# KiCad board control-logic-midplane.kicad_pcb (continued)
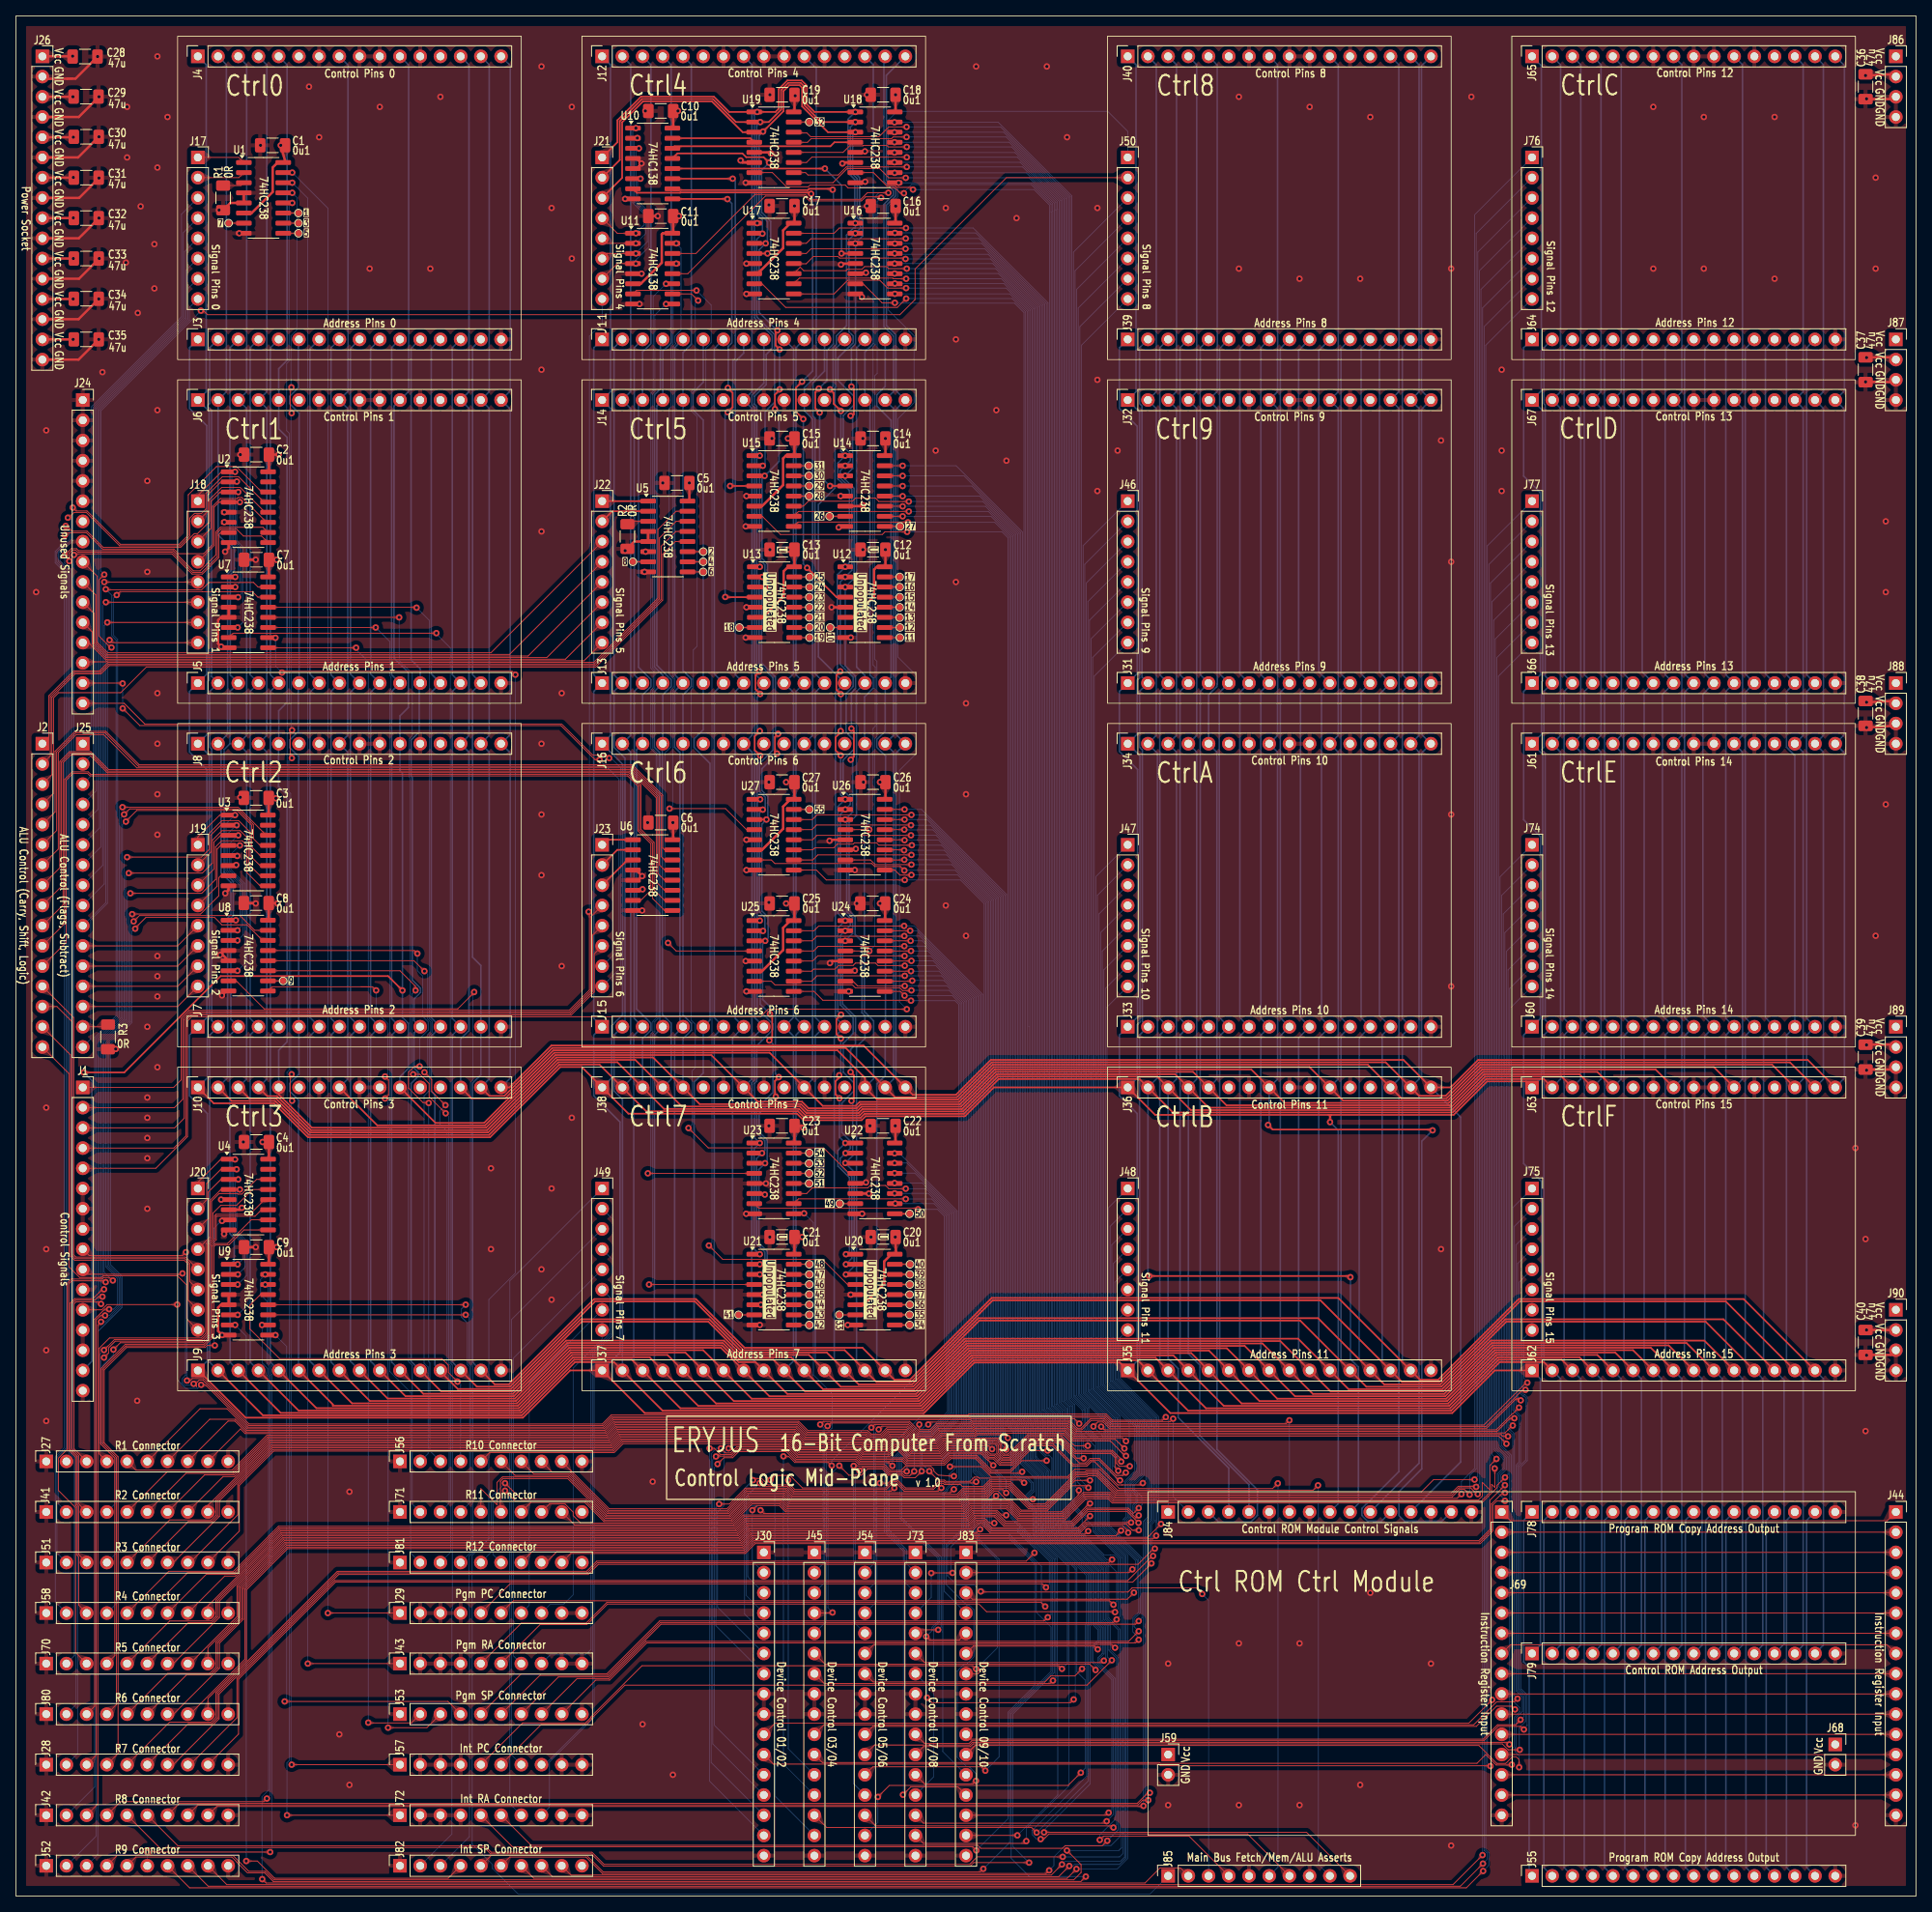
[diagram p0: board, top side]
## Routing (per net, layer and track width the routed paths; a pad name or vN(x,y) marks a point on that pad's centre or on a via; arc(x,y) is an arc through that point) (continued)
SRAM ~{OE}: length 765.6
  Top w0.2: J10.15 59.49,100.53 61.37,100.53 67.41,106.56 104.26,106.56 J38.15 110.45,100.37 118.24,100.37 122.63,104.76 172.1,104.76 J36.15 176.31,100.55 179.66,100.55 183.85,104.75 222.91,104.75 J63.15
  Bottom w0.2: J84.11 176.31,54.39 176.31,100.55 J36.15 176.31,102.65 176.31,143.73 J34.15 176.31,145.83 176.31,186.91 J32.15 176.31,189.01 176.31,230.09 J40.15 ; 109.07,230.99 109.07,215.44 110.26,214.26 110.26,213.73 109.07,212.55 109.07,197.21 110.27,196.01 110.27,189.01 J14.15 110.27,186.91 110.27,145.83 J16.15 110.27,143.73 110.27,102.65 J38.15 ; J63.15 227.11,102.65 227.11,143.73 J61.15 227.11,145.83 227.11,186.91 J67.15 227.11,189.01 227.11,230.09 J65.15 ; J4.15 59.47,230.09 59.47,189.01 J6.15 59.47,186.91 59.47,145.83 J8.15 59.47,143.73 59.47,102.65 J10.15
SRAM ~{WE}: length 770
  Top w0.2: J10.14 57.25,100.23 61.5,100.23 67.53,106.26 103.22,106.26 106.68,102.8 J38.14 108.21,100.07 118.37,100.07 122.75,104.46 169.86,104.46 J36.14 174.07,100.25 179.78,100.25 183.98,104.45 220.67,104.45 J63.14
  Bottom w0.2: J12.14 107.73,230.09 107.73,195.06 106.68,194.01 J14.14 107.32,187.33 107.32,153.44 107.73,153.03 107.73,151.77 106.63,150.67 106.63,144.83 ; J38.14 107.77,102.69 107.77,109.95 106.61,111.11 106.61,134.25 107.19,134.83 107.19,144.12 106.6,144.7 ; J40.14 173.77,230.09 173.77,189.01 J32.14 173.77,186.91 173.77,145.83 J34.14 173.77,143.73 173.77,102.65 J36.14 173.77,100.55 173.77,53.33 169.13,48.69 169.13,47.83 169.85,47.11 171.56,47.11 J84.12 ; J4.14 56.93,230.09 56.93,189.01 J6.14 56.93,186.91 56.93,145.83 J8.14 56.93,143.73 56.93,108.72 55.88,107.67 J10.14 ; J63.14 224.57,102.65 224.57,143.73 J61.14 224.57,145.83 224.57,186.91 J67.14 224.57,189.01 224.57,230.09 J65.14
Unused1: length 80.7
  Top w0.1: J24.9 10.23,165.81 10.23,157.51 11.53,156.2 59.68,156.2 J22.3
Unused2: length 77.4
  Top w0.1: J24.10 10.03,163.47 10.03,157.42 11.45,156 62.02,156 J22.4
Unused3: length 74.1
  Top w0.1: J24.11 9.8,161.16 9.8,157.37 11.36,155.8 64.36,155.8 J22.5
Unused4: length 70.9
  Top w0.1: J22.6 66.7,155.6 11.32,155.6 11.3,155.58 9.6,157.28 9.6,158.82 J24.12
Unused5: length 67.4
  Top w0.1: 9.12,157.48 11.3,155.3 11.4,155.4 69.04,155.4 J22.7
Unused6: length 65.7
  Top w0.1: 8.97,155.07 11.35,155.07 11.49,155.2 71.38,155.2 J22.8
Unused7: length 98.6
  Top w0.1: J24.15 13.36,152.4 v1(13.41,152.35) ; v1(13.41,149.23) 15.57,147.06 68.48,147.06 72.78,142.76 v1(73.34,142.76)
  Bottom w0.1: v1(73.34,142.76) 75.78,140.32 75.78,118.96 J23.7 ; v1(13.41,152.35) v1(13.41,149.23)
Unused8: length 99.4
  Top w0.1: v1(74.55,142.98) 74.18,143.34 72.49,143.34 68.57,147.26 16.19,147.26 13.6,149.86 J24.16
  Bottom w0.1: v1(74.55,142.98) 74.78,142.98 75.98,141.77 75.98,116.62 J23.8
~{CPYHLD}: length 168.2
  Top w0.1: J1.10 9.01,78.13 20.38,78.13 20.4,78.11 20.8,78.11 v1(20.93,78.23) ; v1(22.33,64.36) 22.69,64 22.69,64.48 23.03,64.82 23.51,64.82 29.21,59.11 73.76,59.11 74.89,60.24 119.71,60.24 119.83,60.36 136.93,60.36 137.71,59.58 145.01,59.58 v1(145.41,59.98)
  Bottom w0.1: v1(20.93,78.23) 21.31,77.85 21.31,65.41 20.91,65.01 20.91,64.53 21.25,64.19 22.15,64.19 v1(22.33,64.36) ; v1(145.41,59.98) 145.41,50.17 J84.2
~{RESET}: length 168.4
  Top w0.1: J1.9 9.2,80.48 20.94,80.48 v1(21.36,80.9) ; v1(144.48,60.18) 144.08,59.78 137.79,59.78 137.01,60.56 119.75,60.56 119.63,60.44 74.8,60.44 73.67,59.31 29.3,59.31 23.59,65.02 22.16,65.02 21.75,64.6 21.75,64.51 v1(21.49,64.77)
  Bottom w0.1: J84.1 144.78,59.89 v1(144.48,60.18) ; v1(21.49,64.77) 21.51,64.79 21.51,80.75 v1(21.36,80.9)
Net-(J25-Pin_15): length 2.9
  Top w0.1: J25.15 11.3,109.22
Net-(U1-A2): length 2.8
  Top w0.1: R1.1 28.28,214.91 U1.3
Net-(U1-Y4): length 1.9
  Top w0.1: TP1.1 U1.11
Net-(U1-Y5): length 1.9
  Top w0.1: TP3.1 U1.10
Net-(U1-Y6): length 1.9
  Top w0.1: TP5.1 U1.9
Net-(U1-Y7): length 1.9
  Top w0.1: TP7.1 U1.7
Net-(U5-A2): length 2.2
  Top w0.1: U5.3 77.19,172.72
Net-(U5-Y4): length 2
  Top w0.1: U5.11 TP2.1
Net-(U5-Y5): length 2
  Top w0.1: U5.10 TP4.1
Net-(U5-Y6): length 2
  Top w0.1: U5.9 TP6.1
Net-(U5-Y7): length 1.9
  Top w0.1: TP8.1 U5.7
Net-(U8-Y5): length 1.9
  Top w0.1: U8.10 TP9.1
Net-(U10-~{Y0}): length 10.5
  Top w0.2: 92.78,220.35 92.27,220.85 U10.15
Net-(U10-~{Y1}): length 23.3
  Top w0.2: 105.48,220.35 102.84,220.35 102.34,219.85 82.75,219.85 U10.14
Net-(U10-~{Y2}): length 26.9
  Top w0.2: v1(94.64,217.78) 93.95,218.48 91.76,218.48 91.29,218.95 83.12,218.95 82.58,218.41 ; v1(94.44,206.38) U17.4
  Bottom w0.2: v1(94.64,217.78) 93.69,216.83 93.69,211.55 94.84,210.4 94.84,206.78 v1(94.44,206.38)
Net-(U10-~{Y3}): length 32.4
  Top w0.2: U16.4 v1(103.73,206.38) ; 82.48,217.04 v1(101.65,217.04)
  Bottom w0.2: v1(101.65,217.04) 103.73,214.96 v1(103.73,206.38)
Net-(U10-~{Y4}): length 49.5
  Top w0.2: U15.4 89.84,177.17 ; v1(90.07,215.77) U10.11
  Bottom w0.2: v1(90.07,215.77) 90.4,215.44 90.4,196.02 90.39,196.01 90.39,193.23 90.09,192.93 90.09,177.42 89.84,177.17
  vias: v1(89.74,177.17)
Net-(U10-~{Y5}): length 61
  Top w0.2: 82.65,214.34 99.5,214.34 99.66,214.5 102.52,214.5 v1(102.63,214.39) ; 104.2,177.17 v1(102.29,177.17) ; v1(100.89,189.41) 100.45,188.97 100.45,186.93 v1(100.99,186.39)
  Bottom w0.2: v1(100.89,189.41) 101.9,190.42 101.9,194.2 102.72,195.02 102.72,214.3 v1(102.63,214.39) ; v1(100.99,186.39) 100.99,178.46 v1(102.29,177.17)
Net-(U10-~{Y6}): length 61.7
  Top w0.2: U10.9 89.38,213.23 v1(89.41,213.21) ; 89.51,189.41 90.05,188.87 90.05,187.05 v1(89.43,186.44) ; v1(89.13,163.22) 89.15,163.2 U13.4
  Bottom w0.2: v1(89.43,186.44) 89.11,186.11 89.11,163.24 v1(89.13,163.22) ; 89.51,189.41 89.51,194.7 89.95,195.15 89.95,212.67 v1(89.41,213.21)
  vias: v1(89.46,189.48)
Net-(U10-~{Y7}): length 77.5
  Top w0.2: v1(98.93,185.57) 98.01,186.5 98.01,189.5 v1(98.78,190.27) ; v1(99.42,166.88) 99.43,166.88 103.11,163.2 104.2,163.2 ; U10.7 78.04,214 83.46,214 83.49,214.04 99.75,214.04 v1(99.92,213.87)
  Bottom w0.2: v1(98.93,185.57) 98.93,167.36 v1(99.42,166.88) ; v1(99.92,213.87) 100.11,213.68 100.11,191.6 v1(98.78,190.27)
Net-(U11-~{Y0}): length 84
  Top w0.1: v1(82.12,136.63) 89.16,136.63 91.8,133.99 U27.4
  Bottom w0.1: 82.96,207.65 83.56,207.04 83.56,196.74 82.82,195.99 82.82,195.17 82.94,195.05 82.52,194.63 82.52,153.35 82.82,153.05 82.82,151.75 82.52,151.45 82.52,137.03 v1(82.12,136.63)
  vias: v1(82.98,207.65)
Net-(U11-~{Y1}): length 115.8
  Top w0.1: U11.14 85.45,206.38 92.86,213.79 99.18,213.79 99.79,213.18 106.17,213.18 106.98,214 v1(109.63,214) ; v1(107.24,133.99) 104.2,133.99
  Bottom w0.1: v1(107.24,133.99) 107.7,134.44 107.7,146.68 107.98,146.97 107.98,154.39 107.7,154.67 107.7,194.67 107.98,194.95 107.98,213.54 108.43,214 v1(109.63,214)
Net-(U11-~{Y2}): length 97.8
  Top w0.1: U25.4 82.96,118.75 v1(81.94,119.76)
  Bottom w0.1: 82.93,205.11 82.58,204.75 82.58,195.04 82.32,194.78 82.32,187.13 82.08,186.89 82.08,153.5 82.62,152.96 82.62,151.9 82.3,151.58 82.3,144.38 81.54,143.62 81.54,120.16 v1(81.94,119.76)
  vias: v1(82.98,205.11)
Net-(U11-~{Y3}): length 129.3
  Top w0.1: v1(107.24,118.75) 104.2,118.75 ; v1(108.71,213.39) 108.6,213.49 106.76,213.49 106.25,212.98 99.71,212.98 99.1,213.59 94.17,213.59 84.42,203.84 82.48,203.84
  Bottom w0.1: v1(108.71,213.39) 108.22,212.89 108.22,191.31 107.92,191.01 107.92,155.4 108.18,155.14 108.18,145.67 107.9,145.38 107.9,119.4 v1(107.24,118.75)
Net-(U11-~{Y4}): length 126.9
  Top w0.1: v1(79.4,90.81) U23.4
  Bottom w0.1: v1(81.69,202.56) 80.08,200.96 80.08,189.1 79.78,188.8 79.78,154.25 80.08,153.95 80.08,151.84 79.78,151.54 79.78,144.16 80.45,143.49 80.45,110.32 80.04,109.91 80.04,108.62 79.78,108.36 79.78,91.18 v1(79.4,90.81)
Net-(U11-~{Y5}): length 131.7
  Top w0.1: 104.69,90.81 101.49,94.01 87,94.01 v1(84.51,96.49) ; U11.10 84.89,201.3 v1(85.73,200.46)
  Bottom w0.1: v1(84.51,96.49) 84.96,96.95 84.96,103.67 85.36,104.07 85.36,109.53 84.84,110.06 84.84,151.54 85.12,151.82 85.12,156.56 85.6,157.04 85.6,185.85 84.82,186.63 84.82,189.01 85.36,189.55 85.36,200.09 v1(85.73,200.46)
Net-(U11-~{Y6}): length 138.1
  Top w0.1: v1(79.55,76.84) U21.4
  Bottom w0.1: v1(81.69,200.03) 80.28,198.62 80.28,189.02 79.98,188.72 79.98,154.34 80.28,154.04 80.28,151.75 79.98,151.45 79.98,144.24 80.65,143.57 80.65,110.24 80.28,109.87 80.28,108.57 79.98,108.27 79.98,77.26 v1(79.55,76.84)
Net-(U11-~{Y7}): length 150.1
  Top w0.1: U20.4 104.5,76.84 101.33,80.01 88.8,80.01 v1(87.07,81.74) ; U11.7 77.98,201.75 85.5,201.75 v1(85.52,201.73)
  Bottom w0.1: v1(85.52,201.73) 87.36,199.89 87.36,195.17 86.69,194.5 86.69,189.19 87.46,188.42 87.46,82.13 v1(87.07,81.74)
Net-(U12-Y0): length 1.9
  Top w0.1: U12.15 TP17.1
Net-(U12-Y1): length 1.9
  Top w0.1: U12.14 TP16.1
Net-(U12-Y2): length 1.9
  Top w0.1: U12.13 TP15.1
Net-(U12-Y3): length 1.9
  Top w0.1: U12.12 TP14.1
Net-(U12-Y4): length 1.9
  Top w0.1: U12.11 111.02,160.66
Net-(U12-Y5): length 1.9
  Top w0.1: U12.10 TP12.1
Net-(U12-Y6): length 1.9
  Top w0.1: 109.16,158.12 TP11.1
Net-(U12-Y7): length 1.9
  Top w0.1: TP10.1 104.2,159.39
Net-(U13-Y0): length 1.9
  Top w0.1: U13.15 TP25.1
Net-(U13-Y1): length 1.9
  Top w0.1: U13.14 99.7,164.47
Net-(U13-Y2): length 1.9
  Top w0.1: U13.13 TP23.1
Net-(U13-Y3): length 1.9
  Top w0.1: U13.12 TP22.1
Net-(U13-Y4): length 1.9
  Top w0.1: U13.11 TP21.1
Net-(U13-Y5): length 1.9
  Top w0.1: U13.10 99.7,159.39
Net-(U13-Y6): length 1.9
  Top w0.1: 97.79,158.12 TP19.1
Net-(U13-Y7): length 1.9
  Top w0.1: TP18.1 U13.7
Net-(U14-Y6): length 1.9
  Top w0.1: U14.9 TP27.1
Net-(U14-Y7): length 2
  Top w0.1: TP26.1 104.2,173.36
Net-(U15-Y0): length 1.9
  Top w0.1: U15.15 TP31.1
Net-(U15-Y1): length 1.9
  Top w0.1: U15.14 TP30.1
Net-(U15-Y2): length 1.9
  Top w0.1: U15.13 TP29.1
Net-(U15-Y3): length 1.9
  Top w0.1: 97.73,175.9 TP28.1
Net-(U19-Y0): length 2
  Top w0.1: U19.15 TP32.1
Net-(U20-Y0): length 1.9
  Top w0.1: U20.15 TP40.1
Net-(U20-Y1): length 3.8
  Top w0.1: 112.34,78.11 U20.14 TP39.1
Net-(U20-Y2): length 3.8
  Top w0.1: TP38.1 U20.13 112.34,76.84
Net-(U20-Y3): length 3.8
  Top w0.1: 112.34,75.57 U20.12 TP37.1
Net-(U20-Y4): length 3.8
  Top w0.1: TP36.1 U20.11 112.37,74.3
Net-(U20-Y5): length 3.8
  Top w0.1: TP35.1 U20.10 112.37,73.03
Net-(U20-Y6): length 3.8
  Top w0.1: TP34.1 U20.9 112.37,71.76
Net-(U20-Y7): length 2
  Top w0.1: TP33.1 U20.7
Net-(U21-Y0): length 2
  Top w0.1: U21.15 TP48.1
Net-(U21-Y1): length 2
  Top w0.1: U21.14 TP47.1
Net-(U21-Y2): length 2
  Top w0.1: U21.13 TP46.1
Net-(U21-Y3): length 2
  Top w0.1: U21.12 TP45.1
Net-(U21-Y4): length 2
  Top w0.1: U21.11 TP44.1
Net-(U21-Y5): length 2
  Top w0.1: U21.10 TP43.1
Net-(U21-Y6): length 2
  Top w0.1: U21.9 TP42.1
Net-(U21-Y7): length 2
  Top w0.1: U21.7 TP41.1
Net-(U22-Y6): length 3.8
  Top w0.1: 112.4,85.73 U22.9 TP50.1
Net-(U22-Y7): length 2
  Top w0.1: U22.7 TP49.1
Net-(U23-Y0): length 1.9
  Top w0.1: U23.15 99.67,93.35
Net-(U23-Y1): length 1.9
  Top w0.1: U23.14 99.64,92.08
Net-(U23-Y2): length 1.9
  Top w0.1: U23.13 TP52.1
Net-(U23-Y3): length 1.9
  Top w0.1: U23.12 TP51.1
Net-(U27-Y0): length 2
  Top w0.1: 97.73,136.53 TP55.1

## Copper pours and planes (outline as drawn; the poured copper is in the pictures)
GNDREF on Top, Bottom: 1.27,234.95 237.49,234.95 237.49,1.27 1.27,1.27
GNDREF on In1.Cu.GND: 1.27,234.95 237.49,234.95 237.49,1.27 1.27,1.27
VCC on In2.Cu.VCC: 1.27,234.95 237.49,234.95 237.49,1.27 1.27,1.27

Small or netless copper shapes (teardrops, artwork), in the pictures only: 1332 on Top, 1393 on Bottom

## Text on the board
F.Silkscreen: 7 | 9 | 1 | 3 | 5 | 8 | 4 | 6 | 2 | 31 | 30 | 54 | 53 | 32 | 41 | 18 | 29 | 28 | 26 | 19 | 55 | 52 | 51 | 42 | 25 | 24 | 23 | 22 | 21 | 20 | 48 | 47 | 46 | 45 | 44 | 43 | 49 | 17 | 16 | 15 | 14 | 13 | 12 | 11 | 27 | 37 | 34 | 50 | 40 | 39 | 38 | 36 | 35 | 10 | 33 | Signal Pins 0 | Signal Pins 1 | Signal Pins 2 | Signal Pins 3 | Signal Pins 4 | Signal Pins 5 | Signal Pins 6 | Signal Pins 7 | Signal Pins 9 | Signal Pins 10 | Signal Pins 11 | Signal Pins 8 | Signal Pins 13 | Signal Pins 14 | Signal Pins 15 | Signal Pins 12 | Unpopulated | U | ALU Control (Carry, Shift, Logic) | Power Socket | Vcc | GND | ALU Control (Flags, Subtract) | Unused Signals | Control Signals | v 1.0 | 47u | 0R | R1 Connector | R2 Connector | R3 Connector | R4 Connector | R5 Connector | R6 Connector | R7 Connector | R8 Connector | R9 Connector | 0u1 | Control Pins 2 | Address Pins 2 | Control Pins 1 | Address Pins 1 | Control Pins 3 | Control Pins 0 | Address Pins 0 | Address Pins 3 | Pgm PC Connector | Pgm RA Connector | Pgm SP Connector | R10 Connector | R11 Connector | R12 Connector | Int PC Connector | Int RA Connector | Int SP Connector | Control Pins 4 | Address Pins 4 | Control Pins 5 | Address Pins 5 | Control Pins 6 | Address Pins 6 | Control Pins 7 | Address Pins 7 | Main Bus Fetch/Mem/ALU Asserts | Control Pins 9 | Address Pins 9 | Control Pins 10 | Address Pins 10 | Control Pins 11 | Address Pins 11 | Control Pins 8 | Address Pins 8 | Control ROM Module Control Signals | Control Pins 13 | Address Pins 13 | Address Pins 14 | Control Pins 14 | Control Pins 15 | Address Pins 15 | Program ROM Copy Address Output | Control ROM Address Output | Control Pins 12 | Address Pins 12 | 74HC238 | 74HC138 | Device Control 01/02 | Device Control 03/04 | Device Control 05/06 | Device Control 07/08 | Device Control 09/10 | Instruction Register Input | Control Logic Mid-Plane | 16-Bit Computer From Scratch | Ctrl2 | Ctrl1 | Ctrl3 | Ctrl0 | Ctrl4 | Ctrl5 | Ctrl6 | Ctrl7 | Ctrl9 | CtrlA | CtrlB | Ctrl8 | Ctrl ROM Ctrl Module | CtrlD | CtrlE | CtrlF | CtrlC | ERYJUS
